# Allegro board R8-DEV-V1.0_FINAL.brd (continued)
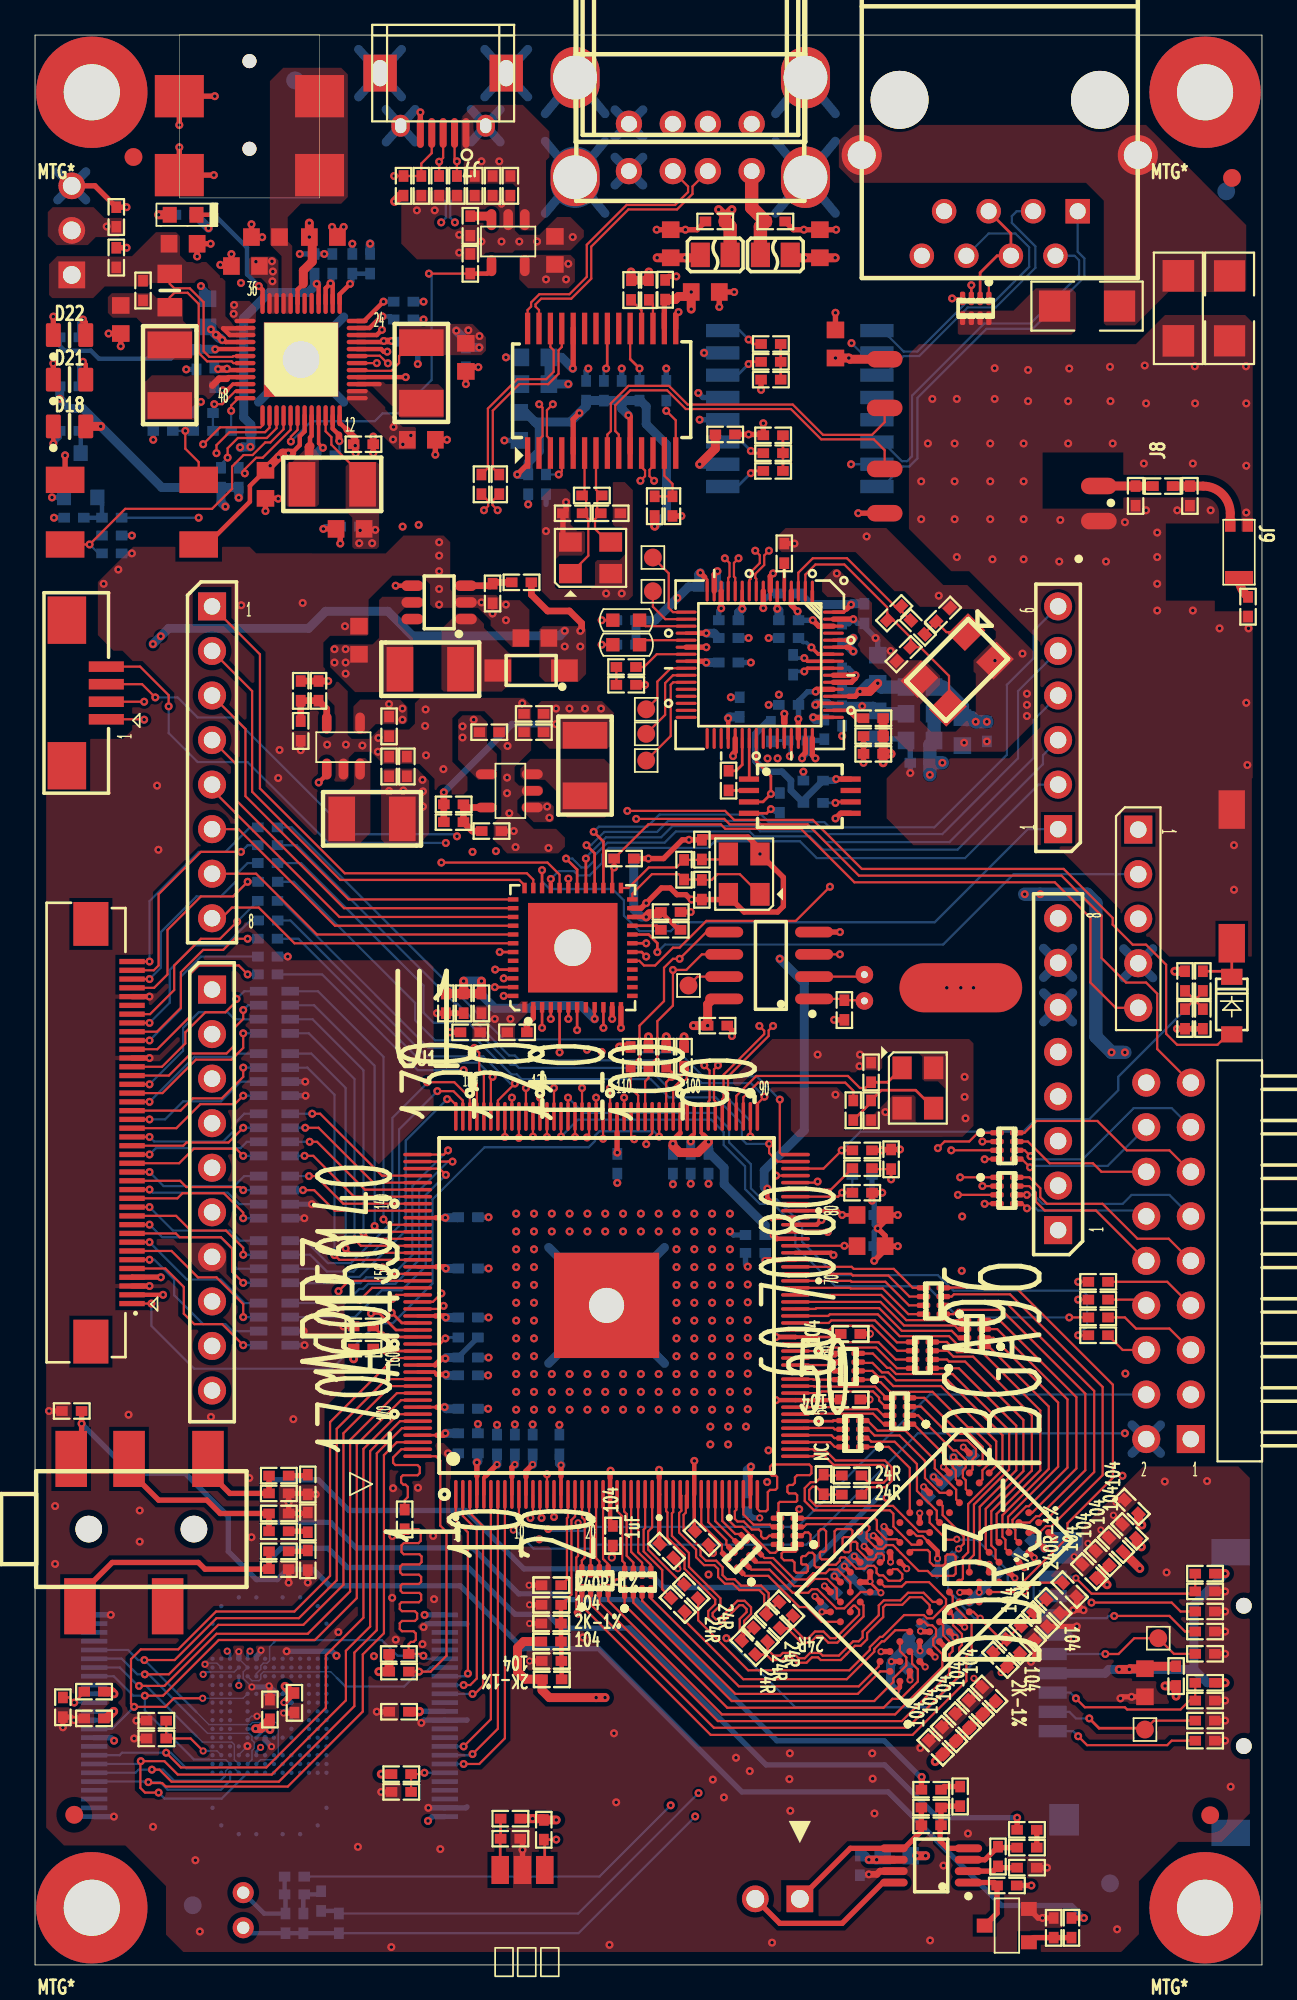
[diagram p0: board, top side]
## Routing (per net, layer and track width the routed paths; a pad name or vN(x,y) marks a point on that pad's centre or on a via; arc(x,y) is an arc through that point) (continued)
  BOTTOM w0.152: 3.38,17.46 U36.43
NDQ7: length 42.9
  TOP w0.127: U1.165 20.04,33.4 17.21,30.56 17.21,21.93 15.05,19.77 10.35,19.77 7.96,17.38 v1(6.23,17.38)
  BOTTOM w0.081: U37.J6 12.87,11.7 13.72,11.7 13.87,11.85 13.87,13.71 13.75,13.83 12.4,13.83 12.28,13.7 9.92,13.7 9.21,14.41
  BOTTOM w0.127: 9.21,14.41 6.24,17.38 v1(6.23,17.38) 5.88,17.38 5.3,17.96 U36.44
NDQS: length 41
  TOP w0.127: U1.162 20.48,34.6 16.83,30.94 16.83,22.18 14.79,20.15 10.32,20.15 8.16,17.99 6.03,17.99 5.47,17.43 5.47,14.89 v1(5.65,14.71) 7.43,14.71 7.92,15.2 v2(9.56,15.2)
  BOTTOM w0.081: v2(9.56,15.2) 11.87,15.2 U37.U5
  BOTTOM w0.127: U36.35 4.39,13.46 v1(5.65,14.71)
NMI-N: length 108.5
  TOP w0.127: U33.48 11.6,89.32 11.19,88.91 v1(11.19,88.6) ; U31.3 v1(45.91,57.61)
  TOP w0.152: U1.158 20.59,36.2 19.65,37.14 v1(19.16,37.14)
  L3-SIG w0.127: v1(45.91,57.61) 45.91,55.71 42.12,51.93 40.45,51.93 38.7,50.17 36.05,50.17 34.96,51.26 31.84,51.26 31.11,50.54 30.83,50.54 28.89,48.6 27.16,48.6 24.65,46.08 24.65,45.45 19.16,39.96 v1(19.16,37.14)
  L4-SIG w0.127: v1(19.16,37.14) 17.74,37.14 12.64,42.25 12.64,63.55 11.75,64.43 11.75,65.65 11.24,66.17 9.4,66.17 5.46,70.1 5.46,72.52 8.06,75.12 8.06,78.74 7.3,79.5 7.3,85.17 10.3,88.17 10.75,88.17 v1(11.19,88.6)
  BOTTOM w0.127: v1(11.19,88.6) R115.1
NMI_B: length 1.7
  TOP w0.152: U43.21 35.46,59.25 R180.2
NRB0-N: length 27.7
  TOP w0.127: R124.2 v1(21.91,16.72) 22.56,16.72 23.47,17.63 23.47,24.69 23.11,25.04 23.11,28.75 22.87,29 U1.176
  BOTTOM w0.081: U37.W5 12.37,16.21 12.78,16.21 12.87,16.3 12.87,16.56 13.03,16.71 16.87,16.71 17.21,16.37
  BOTTOM w0.127: U36.7 22.54,16.96 22.31,16.72 v1(21.91,16.72) 21.06,15.88 17.7,15.88 17.21,16.37
NRB1-N: length 7.2
  TOP w0.127: R122.1 21.08,26.49 21.26,26.67 21.26,27.25 21.13,27.38 21.01,27.38 20.88,27.51 20.88,27.81 20.98,27.91 21.82,27.91 21.95,28.04 21.95,28.37 21.82,28.5 20.55,28.5 20.42,28.63 20.42,28.93 20.89,29.4 U1.175
NRB1-NAND: length 31.5
  TOP w0.127: v1(22.15,17.63) 22.05,17.73 R125.2 21.31,18.29 21.44,18.41 21.59,18.41 21.72,18.54 21.72,18.9 21.59,19.02 20.93,19.02 20.8,19.15 20.8,19.48 20.93,19.61 21.67,19.61 21.79,19.74 21.79,20.04 21.67,20.17 20.93,20.17 20.8,20.29 20.8,20.57 20.9,20.68 21.89,20.68 22.02,20.8 22.02,21.11 21.92,21.21 20.97,21.21 20.85,21.32 20.85,21.63 20.94,21.72 21.89,21.72 22.02,21.84 22.02,22.12 21.89,22.25 20.95,22.25 20.83,22.38 20.83,22.71 20.95,22.83 21.92,22.83 22.05,22.96 22.05,23.29 21.92,23.41 21.03,23.41 20.9,23.54 20.9,23.92 21.03,24.05 21.87,24.05 22,24.17 22,24.71 21.87,24.84 R122.2
  BOTTOM w0.081: U37.W6 12.62,16.61 12.87,16.86 12.87,17.06 13.02,17.2 13.23,17.2 13.37,17.34 13.37,18.14 13.61,18.37
  BOTTOM w0.127: 13.61,18.37 13.76,18.52 19.79,18.52 20.68,17.63 v1(22.15,17.63) 22.32,17.46 U36.6
NRE-N: length 11.9
  TOP w0.127: U1.1 24,25.35 24.69,24.66 v1(24.69,16.61)
  BOTTOM w0.127: U36.8 24.53,16.46 v1(24.69,16.61)
NWE-N: length 17.9
  TOP w0.127: v1(24.45,11.46) 25.34,11.46 26.8,12.92 U1.8
  BOTTOM w0.127: U36.18 v1(24.45,11.46)
NWP-N: length 3
  TOP w0.127: v1(22.21,10.96) 22.13,10.88 R126.2 C248.2
  BOTTOM w0.127: U36.19 v1(22.21,10.96)
ODT: length 27.5
  TOP w0.127: RN19.4 51.82,38.59 52.2,38.59 52.23,38.62 55.94,38.62 61.48,33.08 61.48,27.77 58.89,25.18 58.89,24.37 55.78,21.26 U29.K1
PA-SHDN: length 138.8
  TOP w0.127: 20.1,91.31 19.67,91.74 18.39,91.74 U33.19
  TOP w0.305: v1(20.13,91.31) 20.1,91.31 ; R190.1 v1(56.83,4.53)
  L3-SIG w0.127: v1(56.83,4.53) 46.16,4.53 45.4,5.29 27.11,5.29 18.48,13.93 18.48,17.1 10.92,24.66 10.92,25.55 5.9,30.56 5.9,50.38 8.83,53.3 8.83,86.53 9.91,87.61 18.99,87.61 20.13,88.76 v1(20.13,91.31)
PCLK: length 5.3
  TOP w0.127: J4.7 64.58,38.95 R129.2
PWM0: length 42.2
  TOP w0.127: U1.103 v1(35.6,47.22) ; J3.1 v1(6.64,37.7)
  BOTTOM w0.127: v1(6.64,37.7) 6.64,36.43 9.08,33.99 16.93,33.99 19.52,36.58 20.41,36.58 22.67,38.84 22.67,43.64 25.64,46.62 31.58,46.62 31.94,46.97 31.94,47.28 32.19,47.53 35.29,47.53 v1(35.6,47.22)
RAS: length 19.3
  TOP w0.127: RN16.3 47,34.32 47.77,34.32 48.31,33.78 48.66,33.78 49.11,33.33 52.06,33.33 55.18,30.21 55.18,28.23 53.22,26.27 53.22,23.53 52.92,23.23 52.92,22.03 U29.J3
RESET: length 49.3
  TOP w0.127: v1(33.03,62.57) C305.2 34.98,65.02 39.12,65.02 39.37,64.77 43.69,64.77 46.74,61.72 58.17,61.72 60.2,59.69 60.2,56.01 61.64,54.57 J14.5
  TOP w0.152: v1(33.03,62.57) 32.92,62.46 U43.26
  L3-SIG w0.127: J12.3 59.02,46.97 62.17,50.12 62.17,50.88 62.93,51.65 J14.5
  BOTTOM w0.127: C305.2 v1(33.03,62.57)
RESET-N: length 75.6
  TOP w0.152: C180.2 19.67,36.02 19.85,36.02 v1(20.08,35.8) U1.159
  TOP w0.254: U33.25 17.37,95.25 v1(17.97,95.84)
  L3-SIG w0.127: v1(17.97,95.84) 19.98,95.84 20.53,95.28 20.53,93.78 21.34,92.98 21.34,91.06 21.97,90.42 21.97,86.74 20.97,85.73 v1(20.97,82)
  L4-SIG w0.127: v1(20.97,82) 20.97,81.6 19.74,80.37 18.95,80.37 14.38,75.79 14.38,65.05 18.02,61.41 18.02,47.3 20.94,44.38 20.94,39.66 19.8,38.51 19.8,36.08 v1(20.08,35.8)
  BOTTOM w0.254: v1(17.97,95.84) 18.1,95.97 C241.2 R118.1
RESET_16710505: length 3.7
  TOP w0.127: 35.9,86.2 35.9,84.9 36.36,84.44 C260.2 R156.1
RESET_N: length 3
  TOP w0.152: U41.45 43.14,69.07 43.05,68.98 v1(43.05,68.91)
  BOTTOM w0.152: v1(43.05,68.91) 43.05,69.69 C273.2 42.02,69.81 R169.2
RST: length 19.7
  TOP w0.127: RN19.2 52.31,37.6 52.49,37.78 55.36,37.78 60.41,32.72 60.41,28.1 57.61,25.3 57.33,25.3 U29.T2
RTCVDD: length 66.1
  TOP w0.254: U33.28 16.18,95.73 v1(16.06,95.84)
  TOP w0.508: U31.8 38.67,55.07 38.36,54.77 v1(38.36,53.55) v1(37.55,53.55)
  L3-SIG w0.635: v1(12.28,86.55) 12.25,86.52 v1(11.7,86.52) 11.72,86.55 v1(12.28,86.55) ; v1(12.28,86.55) 12.28,86.48 12.73,86.03 12.73,85.14 13.34,84.53 14.22,84.53 15.68,83.07 15.68,81.47 20.85,76.31 21.86,76.31 33.9,64.28 34.91,64.28 36.45,62.74 36.45,58.95 37.97,57.42 37.97,53.97 ; v1(37.55,53.55) 37.97,53.97 ; 37.97,53.97 37.97,53.94 v1(38.36,53.55)
  BOTTOM w0.508: C227.2 15.94,95.97 v1(16.06,95.84) 15.57,95.35 13.36,95.35 11.9,93.89 11.9,88.22 12.31,87.81 R115.2 12.31,86.57 v1(12.28,86.55) 11.82,86.55 11.78,86.51 11.71,86.51 v1(11.7,86.52) ; v1(38.36,53.55) v1(37.55,53.55)
RXIN: length 20.1
  TOP w0.127: U41.10 40.74,78.93 40.83,79.03 40.83,79.41 41.34,79.92 41.34,80.37 v1(41.08,80.63)
  TOP w0.152: v1(40.7,92.67) 40.96,92.41 R173.2
  L3-SIG w0.127: v1(41.08,80.63) 41.34,80.89 41.34,83.22 42.25,84.13 42.25,88.09 41.72,88.63 40.65,88.63 39.61,89.67 39.61,91.6 40.06,92.05 40.53,92.05 40.7,92.23 v1(40.7,92.67)
  BOTTOM w0.152: v1(40.7,92.67) 40.19,93.17 T1.8
RXIP: length 19.9
  TOP w0.127: U41.9 41.14,79.02 41.08,79.08 41.08,79.31 41.59,79.81 41.59,80.36 v1(41.86,80.63)
  TOP w0.152: v1(40.7,91.27) 40.83,91.4 R172.2
  L3-SIG w0.127: v1(40.7,91.27) 40.7,91.63 40.53,91.8 40.17,91.8 39.86,91.5 39.86,89.77 40.75,88.88 41.82,88.88 42.51,88.2 42.51,86.83 42.68,86.65 42.68,86.32 42.51,86.14 42.51,84.03 41.6,83.12 41.6,82.5 41.74,82.35 41.74,81.99 41.6,81.85 41.6,80.89 v1(41.86,80.63)
  BOTTOM w0.152: v1(40.7,91.27) 40.07,90.63 T1.6
SA0: length 7.3
  TOP w0.127: RN17.5 50.03,35.49 49.16,35.49 47.91,36.75 45.42,36.75 45.27,36.6 U1.64
SA1: length 5.6
  TOP w0.127: U1.52 45.52,31.8 45.64,31.68 48.03,31.68 48.38,31.33 RN15.7
SA2: length 10.4
  TOP w0.127: RN18.7 52.69,35.75 52.29,36.15 49.44,36.15 48.15,37.45 44.56,37.45 44.52,37.4 U1.66
SA3: length 10.4
  TOP w0.127: U1.65 45.24,37 45.33,37.09 48.07,37.09 49.32,35.85 52.13,35.85 52.73,35.25 RN18.8
SA4: length 5.6
  TOP w0.127: RN15.8 48.4,30.83 47.8,31.43 43.66,31.43 43.64,31.4 U1.51
SA5: length 10.3
  TOP w0.127: RN18.6 52.67,36.25 52.46,36.46 49.57,36.46 48.22,37.8 U1.67
SA6: length 5.9
  TOP w0.127: RN15.6 48.5,31.83 48.14,32.18 48.14,32.35 47.8,32.69 44.87,32.69 44.77,32.6 U1.54
SA7: length 7.8
  TOP w0.127: RN19.6 49.88,38.1 48.68,39.3 46.65,39.3 46.55,39.4 U1.71
SA8: length 5.7
  TOP w0.127: RN15.5 48.56,32.33 47.92,32.97 44.44,32.97 44.41,33 U1.55
SA9: length 7.9
  TOP w0.127: RN19.8 49.81,37.1 48.35,38.56 46.52,38.56 46.49,38.6 U1.69
SA10: length 2.8
  TOP w0.127: RN4.7 45.59,30.03 45.43,30.2 U1.48
SA11: length 2.5
  TOP w0.127: U1.56 44.37,33.4 44.4,33.37 RN16.8
SA12: length 2.7
  TOP w0.152: RN4.5 45.54,31.03 45.51,31 U1.50
SA13: length 10.2
  TOP w0.127: U1.68 48.26,38.2 49.69,36.76 53,36.76 RN18.5
SA14: length 2.5
  TOP w0.127: RN16.7 44.44,33.87 44.37,33.8 U1.57
SBA0: length 7.4
  TOP w0.127: RN17.6 49.18,35.02 47.75,36.44 45.55,36.44 45.3,36.2 U1.63
SBA1: length 2.7
  TOP w0.127: U1.49 43.8,30.6 43.81,30.61 45.53,30.61 45.61,30.53 RN4.6
SBA2: length 7.1
  TOP w0.127: RN17.7 49.09,34.52 48.11,35.5 45.24,35.5 45.14,35.4 U1.61
SCAS: length 2.6
  TOP w0.127: U1.59 45.27,34.6 45.36,34.7 45.65,34.7 RN16.5
SCK: length 26.6
  TOP w0.152: U43.5 v1(29.92,52.03)
  L3-SIG w0.127: v1(29.92,52.03) 26.76,52.03 25.49,50.76 25.49,50.1 23.4,48.01 19.8,48.01 15.43,43.64 11.97,43.64 11.24,42.91 J11.6
SCK-N: length 8.7
  TOP w0.127: U1.46 44.38,29.4 44.45,29.33 45.09,29.33 45.66,28.76 48.47,28.76 48.86,28.38 48.86,27.59 48.5,27.24 47.56,27.24 R68.2
SCK_204080: length 7.9
  TOP w0.127: U1.45 44.38,29 44.45,29.07 44.98,29.07 45.55,28.51 48.37,28.51 48.6,28.27 48.6,27.69 48.4,27.49 47.55,27.49 R65.2
SCKE: length 2.8
  TOP w0.127: U1.47 45.35,29.8 45.62,29.53 RN4.8
SD0-CLK: length 64.5
  TOP w0.127: U1.110 v1(32.8,49.99) ; D9.1 64.96,17.74 TP2.1 62.7,18.63 61.8,17.73 v1(61.05,17.73)
  L3-SIG w0.127: v1(32.8,49.99) 33.72,49.99 34.73,48.98 40.32,48.98 41.34,49.99 43.62,49.99 46.22,47.4 49.78,47.4 52.13,45.04 52.13,37.16 62.04,27.25 62.04,18.72 v1(61.05,17.73)
  BOTTOM w0.127: v1(61.05,17.73) J5.5
SD0-CMD: length 65
  TOP w0.127: v1(59.37,15.2) 59.88,14.69 62.17,14.69 62.29,14.56 65.34,14.56 65.85,15.07 D10.1 R140.2 ; U1.111 v1(32.4,47.1)
  L3-SIG w0.127: v1(59.37,15.2) 59.88,15.7 59.88,17.84 60.69,18.65 60.69,20.81 60.26,21.24 60.26,23.07 59.37,23.96 59.37,26.92 50.61,35.69 50.61,44.41 49.34,45.68 45.27,45.68 42.96,47.99 33.39,47.99 32.5,47.1 v1(32.4,47.1)
  BOTTOM w0.127: v1(59.37,15.2) 59.04,15.53 J5.3
SD0-D0: length 58.7
  TOP w0.127: v1(61.56,19.9) 64.71,19.9 65.59,19.01 D5.1 ; U1.108 v1(33.6,49.45)
  L3-SIG w0.127: v1(33.6,49.45) 34.4,48.65 44.12,48.65 45.86,46.91 49.63,46.91 51.62,44.91 51.62,36.11 61.02,26.71 61.02,25.48 61.56,24.95 v1(61.56,19.9)
  BOTTOM w0.127: v1(61.56,19.9) 61.24,19.9 61.12,19.77 59.07,19.77 58.91,19.93 J5.7
SD0-D1: length 55.6
  TOP w0.127: D6.1 65.34,20.15 64.83,20.66 v1(60.26,20.66) ; v1(34.17,47.07) 34,47.25 U1.107
  L3-SIG w0.127: v1(60.26,20.66) 59.75,21.17 59.75,22.31 59.37,22.69 58.99,22.69 58.61,23.07 58.61,26.97 50.1,35.48 50.1,44.28 49.08,45.3 44.77,45.3 44.13,45.93 41.44,45.93 39.71,47.66 34.61,47.66 34.17,47.22 v1(34.17,47.07)
  BOTTOM w0.127: v1(60.26,20.66) 59.89,21.03 J5.8
SD0-D2: length 67.9
  TOP w0.127: v1(31.48,47.18) 31.6,47.29 U1.113 ; D7.1 64.83,12.78 64.58,12.53 60.01,12.53 v1(59.5,13.04)
  L3-SIG w0.127: v1(31.48,47.18) 31.55,47.18 32.7,48.32 43.43,48.32 45.77,45.98 49.8,45.98 51.12,44.66 51.12,35.9 59.88,27.13 59.88,24.85 60.77,23.96 60.77,21.27 61.1,20.94 61.1,18.5 60.39,17.79 60.39,15.2 59.5,14.31 v1(59.5,13.04)
  BOTTOM w0.127: v1(59.5,13.04) 59.21,13.33 J5.1
SD0-D3: length 71.4
  TOP w0.127: U1.112 v1(32,49.45) ; TP3.1 63.82,13.93 D8.1
  TOP w0.152: v1(60.13,14.05) 60.69,13.49 63.23,13.49 TP3.1
  L3-SIG w0.127: v1(60.13,14.05) 61.28,15.2 61.28,16.97 62.56,18.26 62.56,27.94 53.53,36.97 53.53,45.93 51.63,47.83 46.68,47.83 44.13,50.38 41.11,50.38 40.02,49.28 35.16,49.28 34.02,50.43 32.62,50.43 32,49.8 v1(32,49.45)
  BOTTOM w0.127: J5.2 59,14.43 59.37,14.05 v1(60.13,14.05)
SD0-DET: length 64.9
  TOP w0.127: U1.155 23.03,37.4 23.2,37.57 v1(23.3,37.57) ; R138.2 D11.1 66.05,21.17 60.26,21.17 v2(59.37,22.05)
  L3-SIG w0.127: v1(23.3,37.57) 23.4,37.57 24.29,36.69 24.29,26.91 29.51,21.69 31.06,21.69 34.12,18.63 v1(39.43,18.63)
  BOTTOM w0.127: v1(39.43,18.63) 43.37,14.69 50.99,14.69 56.96,20.66 56.96,21.93 57.16,22.13 J5.9 59.3,22.13 v2(59.37,22.05)
SDQ0: length 4.5
  TOP w0.127: RN3.5 32.69,22.86 32.4,23.15 U1.22
SDQ1: length 5.4
  TOP w0.127: RN1.8 42.35,23.62 42.22,23.49 41.93,23.49 40.93,24.49 40.83,24.49 40.35,24.98 39.94,24.98 39.6,25.32 U1.40
SDQ2: length 4.4
  TOP w0.127: RN3.6 32.19,23 32,23.19 U1.21
SDQ3: length 4.5
  TOP w0.127: RN1.7 41.87,24.47 41.72,24.32 41.54,24.32 41.41,24.44 41.41,24.7 41.29,24.82 40.88,24.82 40.42,25.28 40.07,25.28 39.91,25.43 39.91,25.86 40,25.95 U1.41
SDQ4: length 4.5
  TOP w0.127: RN3.8 31.19,23.05 31.35,23.22 31.35,25.36 31.2,25.52 U1.19
SDQ5: length 12.6
  TOP w0.127: U1.44 41.2,26 41.34,25.86 41.69,25.86 41.79,25.97 41.79,26.96 41.92,27.08 42.23,27.08 42.33,27.19 42.33,27.82 42.25,27.9 42.02,27.9 41.92,28 41.92,28.4 42.05,28.53 44.16,28.53 44.28,28.4 44.28,28.02 44.18,27.92 43.47,27.92 43.34,27.8 43.34,27.49 43.22,27.36 43,27.36 42.91,27.27 42.91,26.97 43,26.88 43.37,26.88 43.47,26.78 43.47,26.46 43.41,26.4 42.48,26.4 42.4,26.32 42.4,25.87 42.35,25.81 RN1.5
SDQ6: length 4.4
  TOP w0.127: U1.20 31.6,25.61 31.69,25.52 RN3.7
SDQ7: length 3.4
  TOP w0.127: U1.42 40.4,25.68 40.98,25.1 41.92,25.1 42.05,24.97 RN1.6
SDQ8: length 3.7
  TOP w0.127: U1.37 38.4,25.25 39.43,24.21 39.43,23.96 RN5.7
SDQ9: length 4.7
  TOP w0.127: U1.25 33.6,25.86 33.75,25.71 33.75,23.32 34.13,22.94 RN6.7
SDQ10: length 3.2
  TOP w0.127: RN5.5 40.24,24.57 39.94,24.57 39.2,25.31 U1.39
SDQ11: length 4.6
  TOP w0.127: U1.24 33.2,25.87 33.49,25.58 33.49,23.04 33.63,22.91 RN6.8
SDQ12: length 4.1
  TOP w0.127: RN5.8 39.18,23.51 39.18,23.96 38,25.14 U1.36
SDQ13: length 4.7
  TOP w0.127: U1.26 34,23.55 34.63,22.92 RN6.6
SDQ14: length 3.4
  TOP w0.127: U1.38 38.8,25.3 RN5.6
SDQ15: length 4.7
  TOP w0.127: U1.27 34.4,23.53 35.13,22.8 RN6.5
SDQM0: length 6.1
  TOP w0.127: U1.29 35.2,24.95 34.97,24.72 34.97,23.68 36.96,21.69 R76.1
SDQM1: length 6.6
  TOP w0.127: U1.28 34.8,24.91 34.71,24.82 34.71,23.57 35.77,22.51 35.77,21.42 R77.1
SDQS0: length 13.3
  TOP w0.127: U1.31 36,25.87 36.07,25.8 36.07,24.35 37.04,23.38 37.04,22.59 38.8,20.84 38.8,20.57 38.4,20.17 38.4,19.78 38.73,19.45 39.12,19.45 40.17,20.51 40.37,20.51 40.59,20.29 40.59,20.11 40.19,19.72 40.19,19.09 40.45,18.84 40.45,18.63 R72.1
SDQS0-N: length 13.2
  TOP w0.127: R73.1 40.77,19.01 40.64,19.01 40.45,19.2 40.45,19.62 40.84,20.01 40.84,20.39 40.47,20.76 40.07,20.76 39.01,19.7 38.83,19.7 38.65,19.89 38.65,20.06 39.09,20.51 39.09,20.9 37.3,22.69 37.3,23.49 36.33,24.46 36.33,25.74 36.4,25.82 U1.32
SDQS1: length 10.4
  TOP w0.127: R74.1 41.85,20.13 41.85,20.34 41.59,20.59 41.59,21.09 41.31,21.37 40.17,21.37 39.81,21.73 39.35,21.73 38.96,22.12 38.96,22.58 38.75,22.79 38.16,22.79 37.7,23.24 37.7,23.68 36.74,24.65 36.74,25.76 36.87,25.89 36.87,26.76 U1.33
SDQS1-N: length 10.3
  TOP w0.127: U1.34 37.12,26.75 37.12,25.79 36.99,25.66 36.99,24.76 37.96,23.79 37.96,23.35 38.26,23.05 38.85,23.05 39.22,22.68 39.22,22.22 39.45,21.99 39.91,21.99 40.27,21.62 41.42,21.62 41.85,21.2 41.85,20.7 42.06,20.48 42.22,20.48 R75.1
SODT: length 7.8
  TOP w0.127: U1.72 46.58,39.8 46.7,39.68 48.98,39.68 50.06,38.6 RN19.5
SRAS: length 2.5
  TOP w0.127: U1.58 45.66,34.2 RN16.6
SRST: length 7.9
  TOP w0.127: RN19.7 49.85,37.6 48.5,38.95 46.57,38.95 46.52,39 U1.70
SS: length 21.7
  TOP w0.152: U43.4 v1(29.42,53.93)
  L3-SIG w0.127: v1(29.42,53.93) 29.29,54.06 27.88,54.06 27.33,53.51 25.37,53.51 25.08,53.8 15.68,53.8 12.41,50.53 J11.3
SVREF: length 10.9
  TOP w0.127: C148.2 30.59,21.11 30.59,25.36 30.8,25.57 U1.18
  TOP w0.254: C148.2 30,20.52 R91.2 C82.2 30.02,18.41 C84.1 30.04,17.31 R89.1
SWD_CLK: length 32.2
  TOP w0.127: U43.17 34.47,57.25 34.73,56.98 35.37,56.98 36.38,58 36.77,58 38.29,59.52 43.39,59.52 v1(45.34,61.47)
  L3-SIG w0.127: v1(45.34,61.47) 47.48,61.47 49.34,63.33 59.88,63.33 61.28,64.73 J14.1
SWD_DIO: length 31.4
  TOP w0.152: U43.20 35,58.75 35.5,58.25 v1(35.5,57.74)
  BOTTOM w0.127: J14.2 55.82,62.19 51.8,58.17 35.93,58.17 v1(35.5,57.74)
SWE: length 7.2
  TOP w0.127: U1.60 45.17,35 45.36,35.2 47.98,35.2 49.16,34.02 50.05,34.02 RN17.8
SZQ: length 5.3
  TOP w0.127: U1.17 30.4,25.53 30.34,25.47 30.34,21.98 R94.2
TP-INT: length 45.5
  TOP w0.127: U1.151 17.9,39 v1(17.31,38.41) ; J6.1 6.2,71.02 v1(6.22,70.99)
  L4-SIG w0.127: v1(6.22,70.99) 8.64,68.58 11.05,68.58 12.26,67.37 12.26,64.69 13.24,63.7 13.24,42.48 v1(17.31,38.41)
TP-WAKE: length 47.2
  TOP w0.127: J6.2 v1(6.22,72.02) ; U1.152 19.22,38.6 v1(18.53,37.9)
  L4-SIG w0.127: v1(18.53,37.9) 13.73,42.7 13.73,63.98 12.7,65.01 12.7,69.34 11.05,70.99 7.25,70.99 v1(6.22,72.02)
TPX1: length 35
  TOP w0.127: v1(41.6,49.5) 41.2,49.09 U1.89
  BOTTOM w0.127: v1(41.6,49.5) 40.83,50.27 38.04,50.27 36.74,51.57 27.65,51.57 27.37,51.85 27.04,51.85 24.09,54.8 23.96,54.8 14.92,63.84 R139.1
TPX2: length 37.5
  TOP w0.127: v1(41.87,46.81) 41.87,46.29 42.36,45.8 U1.87
  BOTTOM w0.127: R135.1 14.77,61.75 21.68,54.84 21.68,53.86 22.82,52.71 25.23,52.71 27.18,50.77 27.48,50.77 27.75,50.5 35.11,50.5 36.16,49.46 38.82,49.46 40.32,47.96 40.32,47.07 40.58,46.81 v1(41.87,46.81)
TPY1: length 36
  TOP w0.127: U1.90 v1(40.8,47.23)
  BOTTOM w0.127: v1(40.8,47.23) 40.8,48.12 39.05,49.87 36.26,49.87 34.99,51.14 27.6,51.14 27.42,51.32 27.13,51.32 24.73,53.72 22.73,53.72 22.16,54.29 22.16,55.84 15.18,62.82 R137.1
TPY2: length 39.1
  TOP w0.127: v1(42.48,49.33) 42.48,46.31 42.61,46.18 43.36,46.18 U1.88
  BOTTOM w0.127: v1(42.48,49.33) 41.16,50.66 38.11,50.66 36.74,52.03 34.53,52.03 33.79,52.76 26.73,52.76 14.64,64.85 R141.2
TS:
  vias: v1(4.09,99.11) v1(11.33,94.13) v1(11.35,94.64)
TWI0-SCK: length 63.2
  TOP w0.127: R100.2 v1(37.02,50.6) 37.01,50.6 36.4,49.99 U1.101 ; U33.2 13.37,87.64 13.12,87.38 11.09,87.38 10.35,86.65 v1(10.35,86.19)
  L3-SIG w0.127: v1(37.02,50.6) 37.02,51.9 36.56,52.36 36.56,55.4 35.93,56.04 35.93,58.17 35.32,58.78 35.32,60.84 34.76,61.4 27.72,61.4 24.25,64.87 23.34,64.87 22.73,64.26 17.58,64.26 14.4,67.44 14.4,69.93 13.61,70.71 13.61,79.39 10.35,82.66 v1(10.35,86.19)
TWI0-SDA: length 72.5
  TOP w0.127: v1(9.59,86.7) 10.55,87.66 12.86,87.66 12.98,87.77 U33.1 ; R99.2 36.31,50.91 v1(36.31,50.63) 36,50.32 U1.102
  L3-SIG w0.127: v1(24.95,63.46) 16.73,63.46 12.9,67.28 12.9,79.32 9.84,82.38 9.84,86.44 v1(9.59,86.7)
  L4-SIG w0.127: v1(36.31,50.63) 36.93,51.25 37.46,51.25 38.26,52.05 39.84,52.05 40.32,52.53 40.32,59.77 35.42,64.68 32.65,64.68 32.29,65.03 31.46,65.03 29.42,62.99 25.42,62.99 v1(24.95,63.46)
TWI1-SCK: length 55.3
  TOP w0.127: J6.4 5.99,74.02 7.62,72.39 v1(7.62,71.75) ; U31.6 38.04,57.61 37.15,56.73 v1(36.38,56.73) 36.38,54.69 35.5,53.8 35.5,51.72 R102.2 34.99,50.56 34.8,50.38 U1.105
  L4-SIG w0.127: v1(23.43,63.96) 23.43,63.2 25.54,61.09 35.11,61.09 35.85,60.36 35.85,58.05 36.13,57.77 36.13,57.23 36.38,56.98 v1(36.38,56.73)
  BOTTOM w0.127: v1(23.43,63.96) 16.73,63.96 12.12,68.58 9.27,68.58 7.62,70.23 v1(7.62,71.75)
TWI1-SDA: length 55
  TOP w0.127: U31.5 38.29,58.88 v1(36.77,57.36) 36.38,57.36 35.88,56.85 35.88,54.95 34.48,53.55 34.48,51.72 R101.2 33.97,49.99 34.4,49.57 U1.106 ; v1(6.86,72.26) 6.1,73.02 J6.3
  L4-SIG w0.127: v1(24.07,64.35) 24.19,64.22 24.19,63.46 26.22,61.42 35.5,61.42 36.31,60.61 36.31,58.43 36.74,58 36.74,57.39 v1(36.77,57.36)
  BOTTOM w0.127: v1(6.86,72.26) 8.13,72.26 9.27,71.12 11.33,71.12 17.98,64.47 23.95,64.47 v1(24.07,64.35)
TWI2-SCK: length 61.7
  TOP w0.152: U1.161 v1(20.03,35) 19.43,35 R98.2
  L3-SIG w0.127: v1(62.19,33.71) 64.73,33.71 J4.3 ; v1(38.42,22.26) 36.41,24.26 v1(28.76,24.26)
  L4-SIG w0.127: v1(38.42,22.26) 40.09,23.93 44.46,23.93 54.24,33.71 v1(62.19,33.71) ; v1(28.76,24.26) 28.36,24.26 27.3,25.32 25.07,25.32 20.03,30.37 v1(20.03,35)
TWI2-SDA: length 55.7
  TOP w0.152: v1(23.4,35.72) 23.08,35.4 U1.160
  L4-SIG w0.127: v1(29.27,24.85) 29.12,25 28.03,25 27.27,25.76 25.27,25.76 22.45,28.57 22.45,34.77 v1(23.4,35.72)
  BOTTOM w0.127: J4.4 51.04,32.52 43.5,24.98 31.48,24.98 31.25,24.75 29.37,24.75 v1(29.27,24.85)
  BOTTOM w0.152: R97.2 23.46,35.77 v1(23.4,35.72)
TXON: length 11.7
  TOP w0.127: U41.13 39.54,79.08 39.61,79.15 39.61,79.93 v1(39.35,80.2)
  TOP w0.152: R174.1 40.96,86.19 v1(40.83,86.32)
  L3-SIG w0.127: v1(39.35,80.2) 39.61,80.46 39.61,85.46 39.96,85.81 40.58,85.81 40.83,86.06 v1(40.83,86.32)
  BOTTOM w0.152: T1.3 40.32,86.82 v1(40.83,86.32)
TXOP: length 11.4
  TOP w0.127: v1(40.13,80.2) 39.86,79.93 39.86,79.15 39.94,79.08 U41.12
  TOP w0.152: v1(40.83,85.05) 40.96,85.17 R175.1
  L3-SIG w0.127: v1(40.83,85.05) 40.83,85.43 40.7,85.55 40.07,85.55 39.86,85.35 39.86,80.46 v1(40.13,80.2)
  BOTTOM w0.152: T1.1 40.07,84.28 v1(40.83,85.05)
UBOOT: length 86.5
  TOP w0.127: D19.1 68.04,53.05 67.44,52.46 65.14,52.46 64.52,53.09 64.52,57.02 63.37,58.17 62.61,58.17 61.47,59.31 61.47,59.69 58.67,62.48 47.16,62.48 44.37,65.28 39.88,65.28 39.36,65.79 v1(33.78,65.79)
  TOP w0.152: U1.157 20.92,36.6 v1(20.34,37.18)
  L4-SIG w0.127: v1(20.34,37.18) 22.13,38.97 22.13,45.24 19.75,47.63 19.75,61.07 23.88,65.2 28.12,65.2 28.55,64.77 29.79,64.77 30.82,65.79 v1(33.78,65.79)
USB0-DM: length 65.6
  TOP w0.127: U1.93 39.6,49.35 39.53,49.43 39.53,50.64 41.85,52.96 41.85,53.28 v1(42.1,53.53)
  L3-SIG w0.127: v1(23.95,99.35) 23.68,99.08 23.68,94.55 23.52,94.38 23.52,88.06 27.52,84.06 27.52,81.36 29.4,79.48 29.4,74.62 29.97,74.05 34.89,74.05 39.03,69.91 39.03,67.77 41.69,65.11 42.1,65.11 42.73,64.47 42.73,60.3 41.83,59.4 41.83,53.8 v1(42.1,53.53)
  BOTTOM w0.127: R143.2 23.68,100.49 23.68,99.61 v1(23.95,99.35)
USB0-DP: length 65.6
  TOP w0.127: v1(41.31,53.53) 41.59,53.26 41.59,53.07 39.27,50.75 39.27,49.43 39.2,49.35 U1.94
  L3-SIG w0.127: v1(41.31,53.53) 41.58,53.8 41.58,59.51 42.48,60.41 42.48,64.37 41.99,64.85 41.59,64.85 38.77,67.67 38.77,69.8 34.78,73.79 29.86,73.79 29.15,74.51 29.15,79.38 27.27,81.26 27.27,83.95 23.27,87.95 23.27,94.49 23.43,94.65 23.43,99.08 v1(23.17,99.35)
  BOTTOM w0.127: R145.2 23.43,100.49 23.43,99.61 v1(23.17,99.35)
USB0-DRV: length 74.8
  TOP w0.127: U1.150 20.18,39.4 v1(19.82,39.76) ; U33.6 14.97,87.51 14.59,87.13 v1(14.59,86.85) ; R146.2 v1(22.47,96.42)
  TOP w0.254: R146.2 25.79,96.42 26.04,96.67 U38.4
  L4-SIG w0.127: v1(14.59,86.85) 15.32,86.12 15.32,78.94 13.16,76.78 13.16,65.48 16.9,61.74 16.9,46.57 20.41,43.06 20.41,40.34 v1(19.82,39.76)
  BOTTOM w0.127: v1(14.59,86.85) 15.75,88.01 19.38,88.01 19.82,88.46 20.71,88.46 22.62,90.36 22.62,96.27 v1(22.47,96.42)
USB0-IDDET: length 77.6
  TOP w0.127: v1(20.38,37.98) 20.6,38.2 U1.153 ; J7.4 22.63,103.29 22.03,102.7 D14.1 R144.1 v1(20.48,101.99)
  L3-SIG w0.127: v1(21.88,82.1) 21.88,85.88 22.45,86.46 22.45,92.58 21.25,93.78 21.25,100.72 20.48,101.48 v1(20.48,101.99)
  L4-SIG w0.127: v1(21.88,82.1) 21.88,81.8 19.86,79.78 18.97,79.78 14.73,75.54 14.73,65.94 18.86,61.81 18.86,47.35 21.53,44.69 21.53,39.12 v1(20.38,37.98)
USB1-DM: length 44.5
  TOP w0.127: v1(38.96,51.29) 38.73,51.06 38.73,49.3 38.8,49.23 U1.95 ; v1(26.39,82.93) 26.1,83.22 26.1,83.47 R148.2
  L3-SIG w0.127: v1(26.39,82.93) 26.1,82.65 26.1,80.09 27.8,78.39 27.8,74.28 29.54,72.54 33.98,72.54 37.31,69.21 37.31,66.09 38.29,65.11 38.29,60.46 39.38,59.37 39.38,53.37 38.73,52.72 38.73,51.52 v1(38.96,51.29)
USB1-DP: length 44.5
  TOP w0.127: R149.2 25.84,83.47 25.84,83.17 v1(25.6,82.93) ; U1.96 38.4,49.22 38.47,49.29 38.47,50.99 v1(38.17,51.29)
  L3-SIG w0.127: v1(25.6,82.93) 25.84,82.7 25.84,79.99 27.54,78.29 27.54,74.18 29.43,72.29 33.87,72.29 37.06,69.1 37.06,65.98 38.04,65 38.04,60.36 39.13,59.27 39.13,53.48 38.47,52.82 38.47,51.59 v1(38.17,51.29)
USB_ACT: length 2.8
  TOP w0.127: D16.2 34.74,75.52 U41.21
USBVBUS: length 18.8
  TOP w0.254: U33.31 14.97,95.51 15.3,95.84
  TOP w0.508: v1(15.64,99.31) v1(15.64,98.51) 15.81,98.34 15.81,97.11 15.3,96.6 15.3,95.84
  L3-SIG w0.762: v1(26.48,102.83) v1(25.46,102.83) 24.67,102.04 22.08,102.04 21.28,102.84 19.18,102.84 v1(15.64,99.31) v1(15.64,98.51)
USER-LED: length 40.1
  TOP w0.152: U43.43 v1(26.5,57.75)
  L3-SIG w0.127: v1(26.5,57.75) 21.34,57.75 12.24,66.85 12.24,78.63 9.33,81.54 v1(9.33,82.51)
  BOTTOM w0.127: R186.2 v1(9.33,82.51)
VMIC: length 63.7
  TOP w0.127: U1.85 v1(42.27,45)
  L3-SIG w0.127: v1(42.27,45) 42.9,44.37 42.9,38.27 43.61,37.56 43.61,30.07 40.18,26.64 40.18,12.83 37.84,10.49 v1(37.84,9.8)
  BOTTOM w0.127: C311.2 30.98,2.93 v1(37.84,9.8)
  BOTTOM w0.254: C311.2 17.18,3.08 R188.1
VPS: length 2.8
  TOP w0.127: 2.8,15.53 v1(2.23,14.96) 1.94,15.25 R123.1
  TOP w0.152: 2.8,15.53 R121.2
  BOTTOM w0.127: U36.38 v1(2.23,14.96)
VRA1: length 3.8
  TOP w0.127: C178.2 45.4,44.2 U1.83
VRA2: length 4.9
  TOP w0.127: U1.82 45.81,43.8 v1(46.04,44.03) C185.2
  BOTTOM w0.127: R96.2 C185.2 v1(46.04,44.03)
VRP: length 4.3
  TOP w0.203: U1.80 45.79,43 v1(46.04,42.76) C181.2
  BOTTOM w0.203: C182.2 v1(46.04,42.76)
VSYNC: length 5.5
  TOP w0.127: R127.2 62.17,36.91 62.8,36.28 64.71,36.28 J4.5
WE: length 14.8
  TOP w0.127: U29.L3 53.88,22.99 53.88,26.12 55.97,28.2 55.97,30.74 52.69,34.02 RN17.1
WIFI-DM3: length 21.2
  TOP w0.127: J8.4 48.46,87.95 47.74,87.23 44.95,87.23 43.22,88.96 37.23,88.96 36.16,90.03 33.84,90.03 32.84,89.02 32.84,87.45 32.64,87.25 U39.8
WIFI-DP3: length 21
  TOP w0.127: J8.3 48.46,86.36 47.84,86.98 44.84,86.98 43.12,88.7 37.12,88.7 36.05,89.77 33.95,89.77 33.1,88.92 33.1,87.45 33.3,87.25 U39.9
X1: length 7.7
  TOP w0.127: X3.1 31.56,80.34 31.56,82.43 C261.2 31.43,82.96 31.43,83.55 R157.2 31.34,83.92 U39.6
